# Altium PCB Test.PcbDoc (part 1 of 7)
Units mm, origin at the board's own origin, x right, y up, seen from the top; angles counter-clockwise.
Board outline 127 x 60.96 mm, 8 copper layers (TOP, LY2 - GND, LY3 - SIG, LY4 - GND, LY5 - SIG, LY6 - SIG, LY7 - GND, BOTTOM), stack 1.458 mm thick; 279 components, 237 nets, 1232 pads, 1515 vias.
Unrouted connection lines stored in the file: 100.
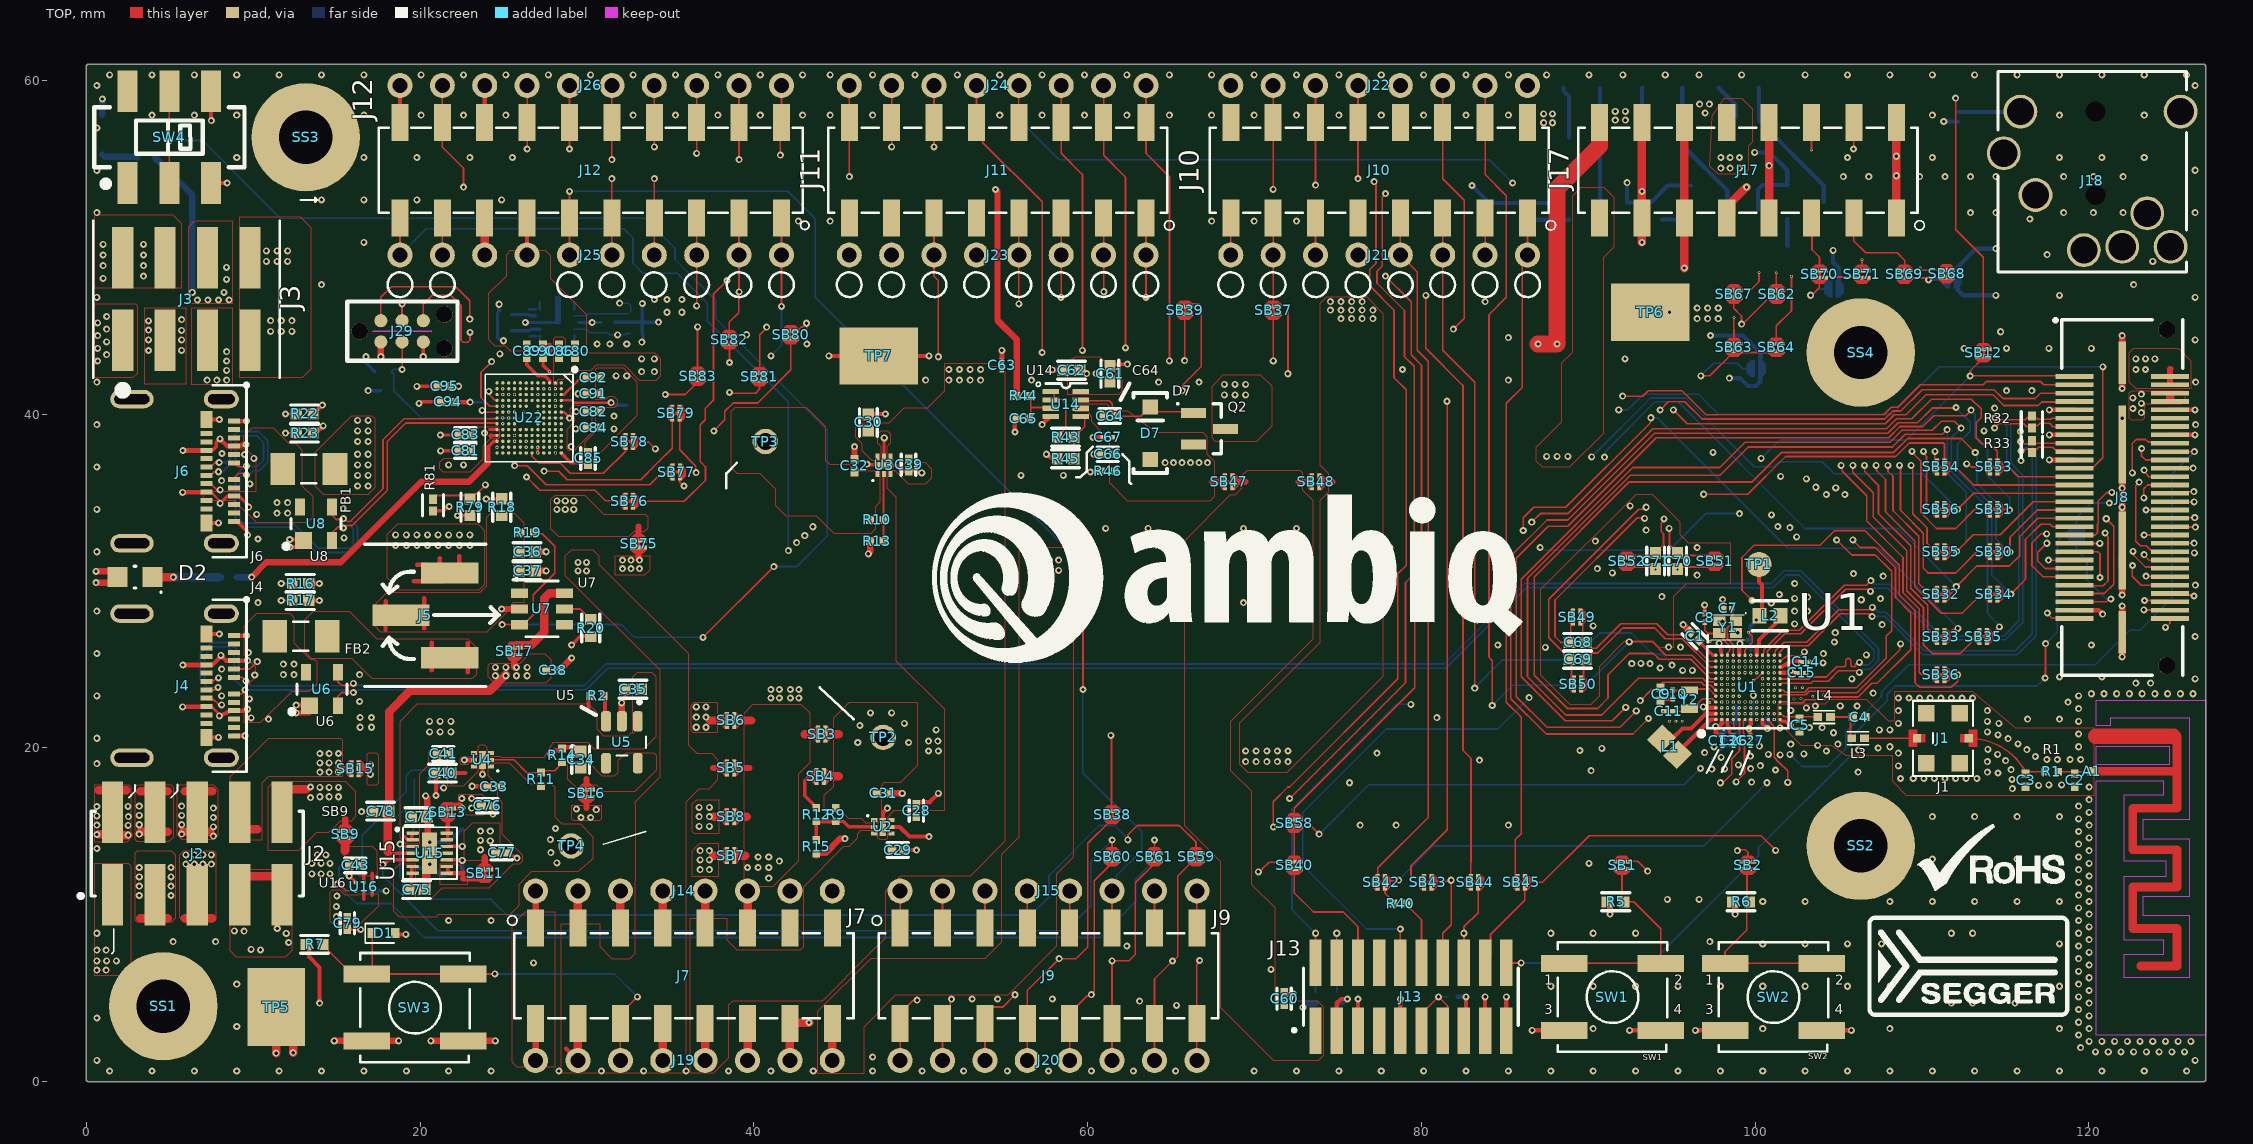
[diagram p0: TOP view]
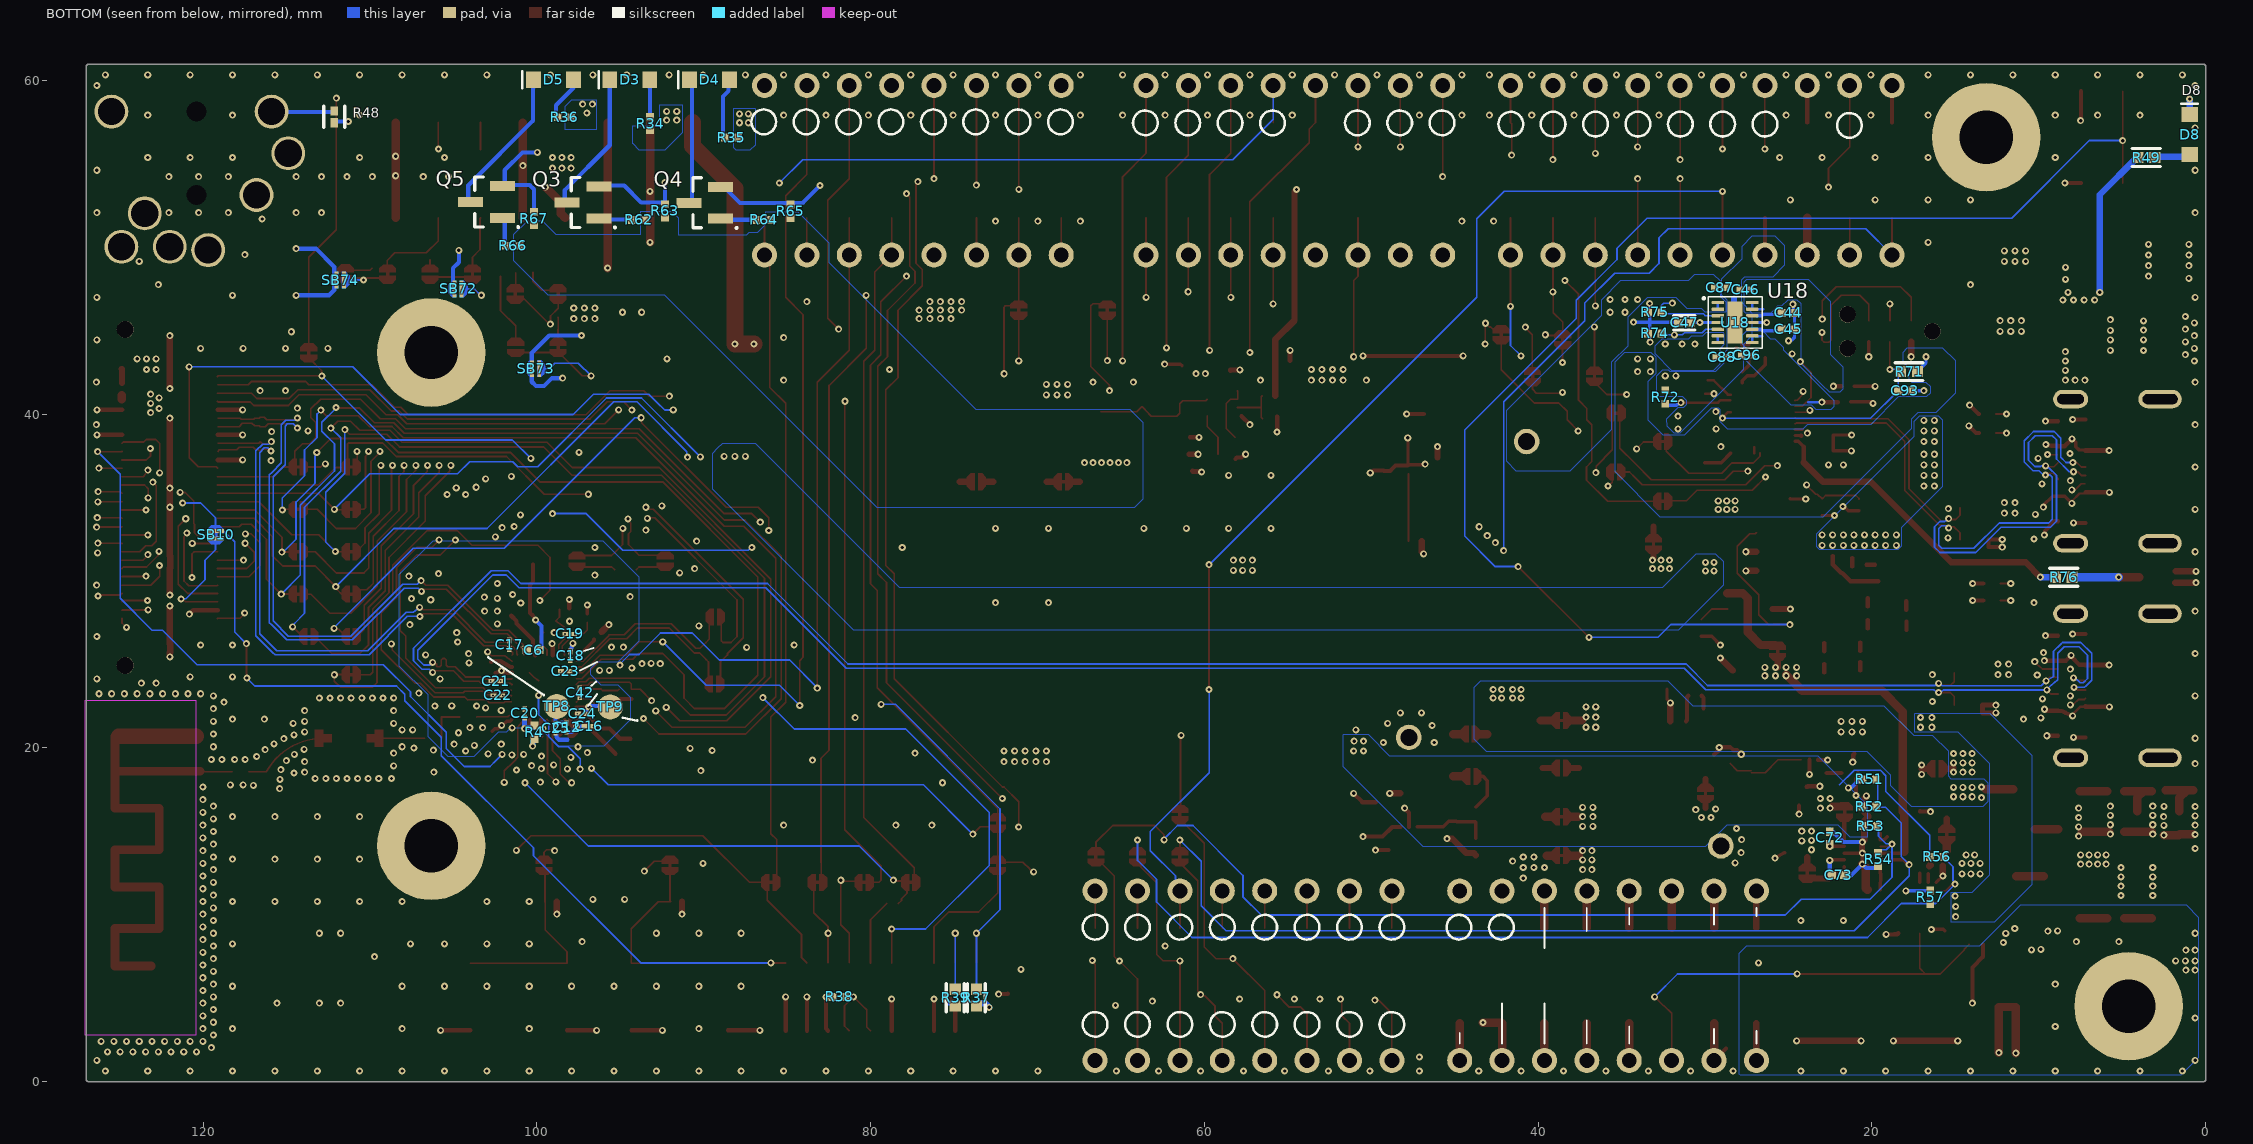
[diagram p1: BOTTOM view, seen from below]
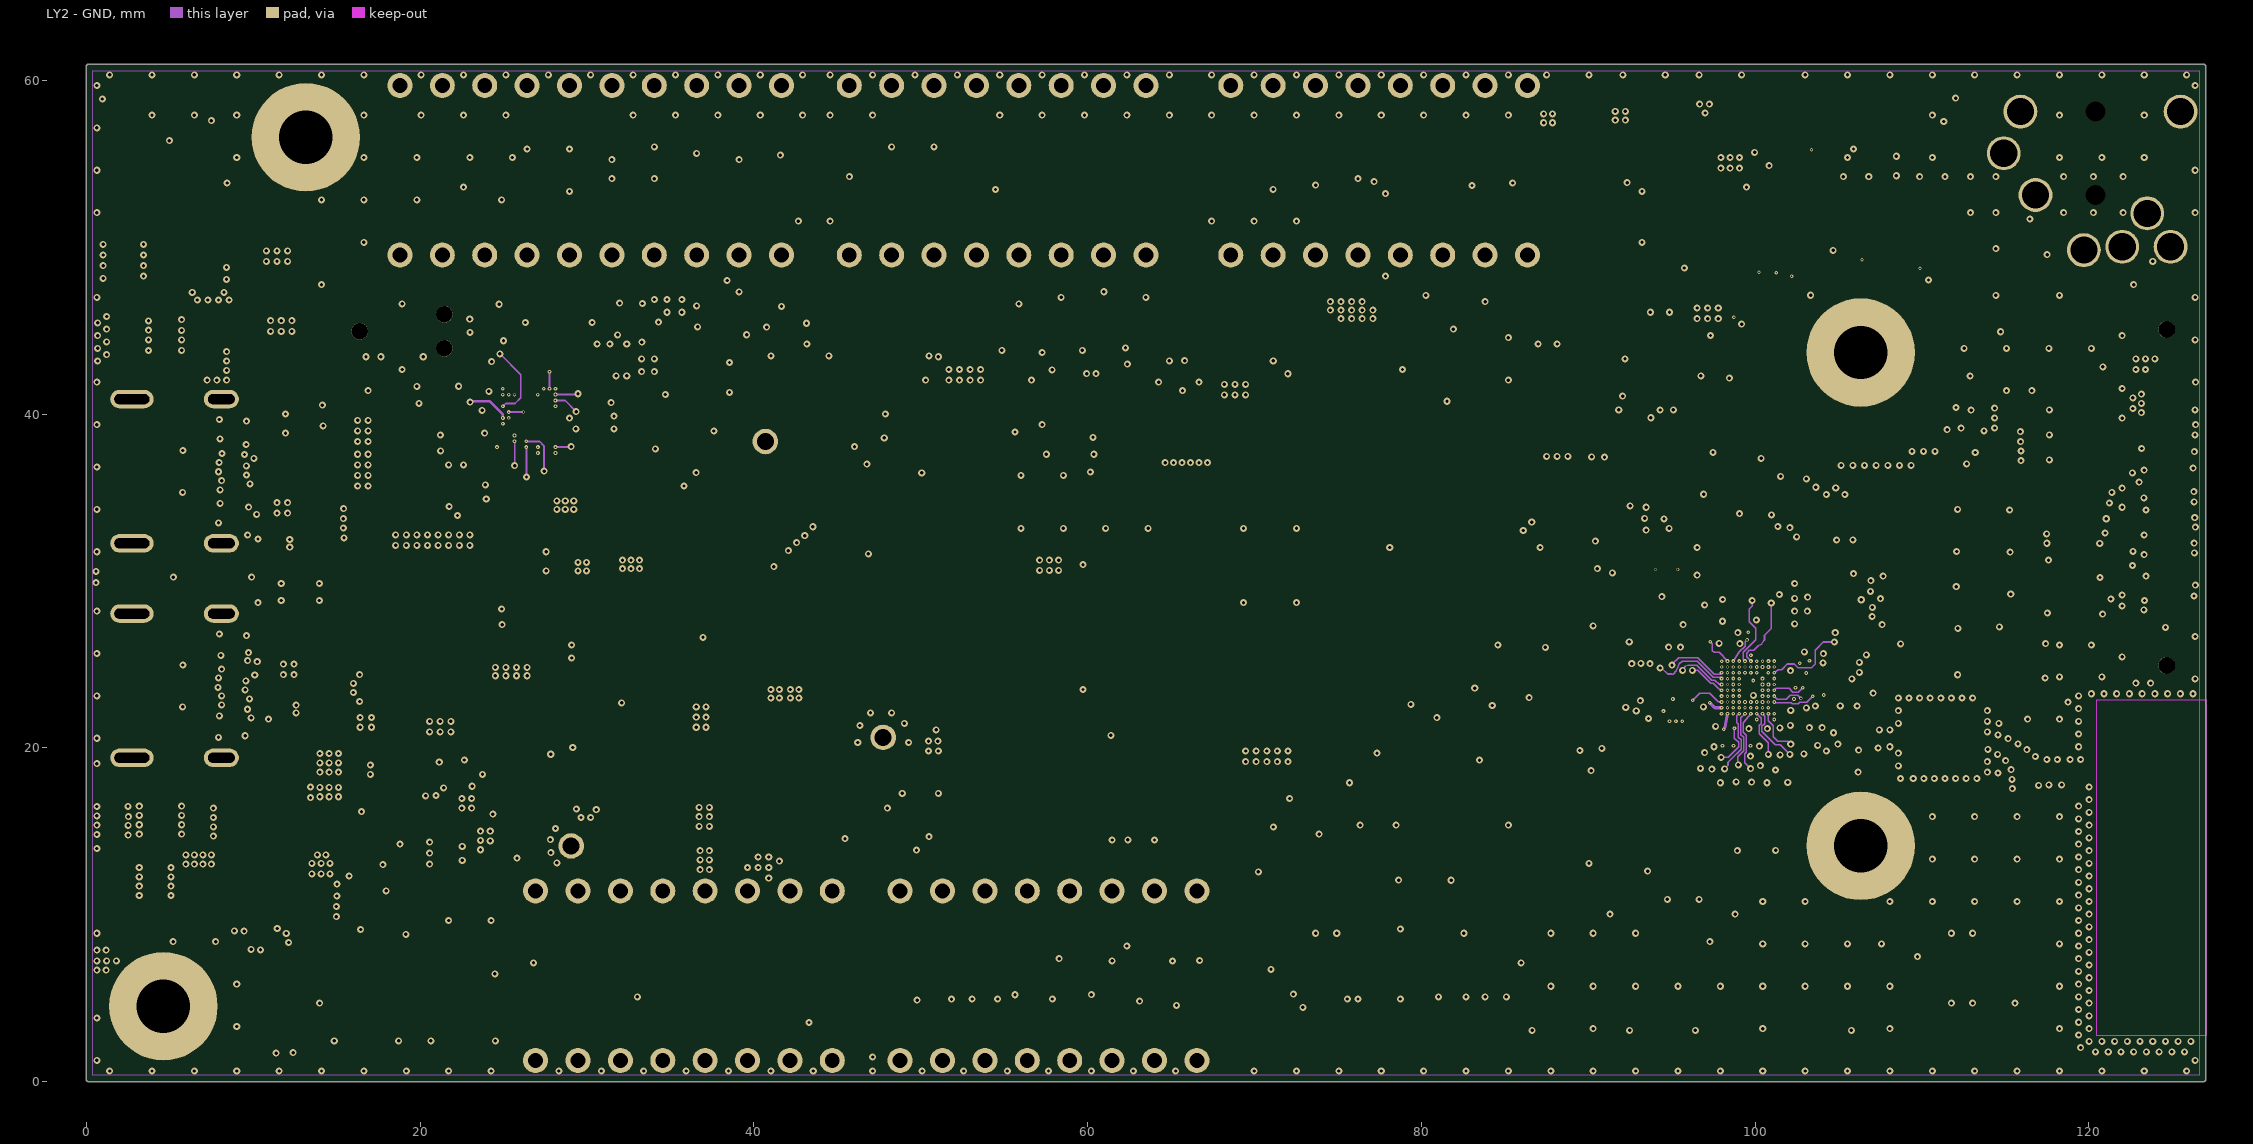
[diagram p2: LY2 - GND]
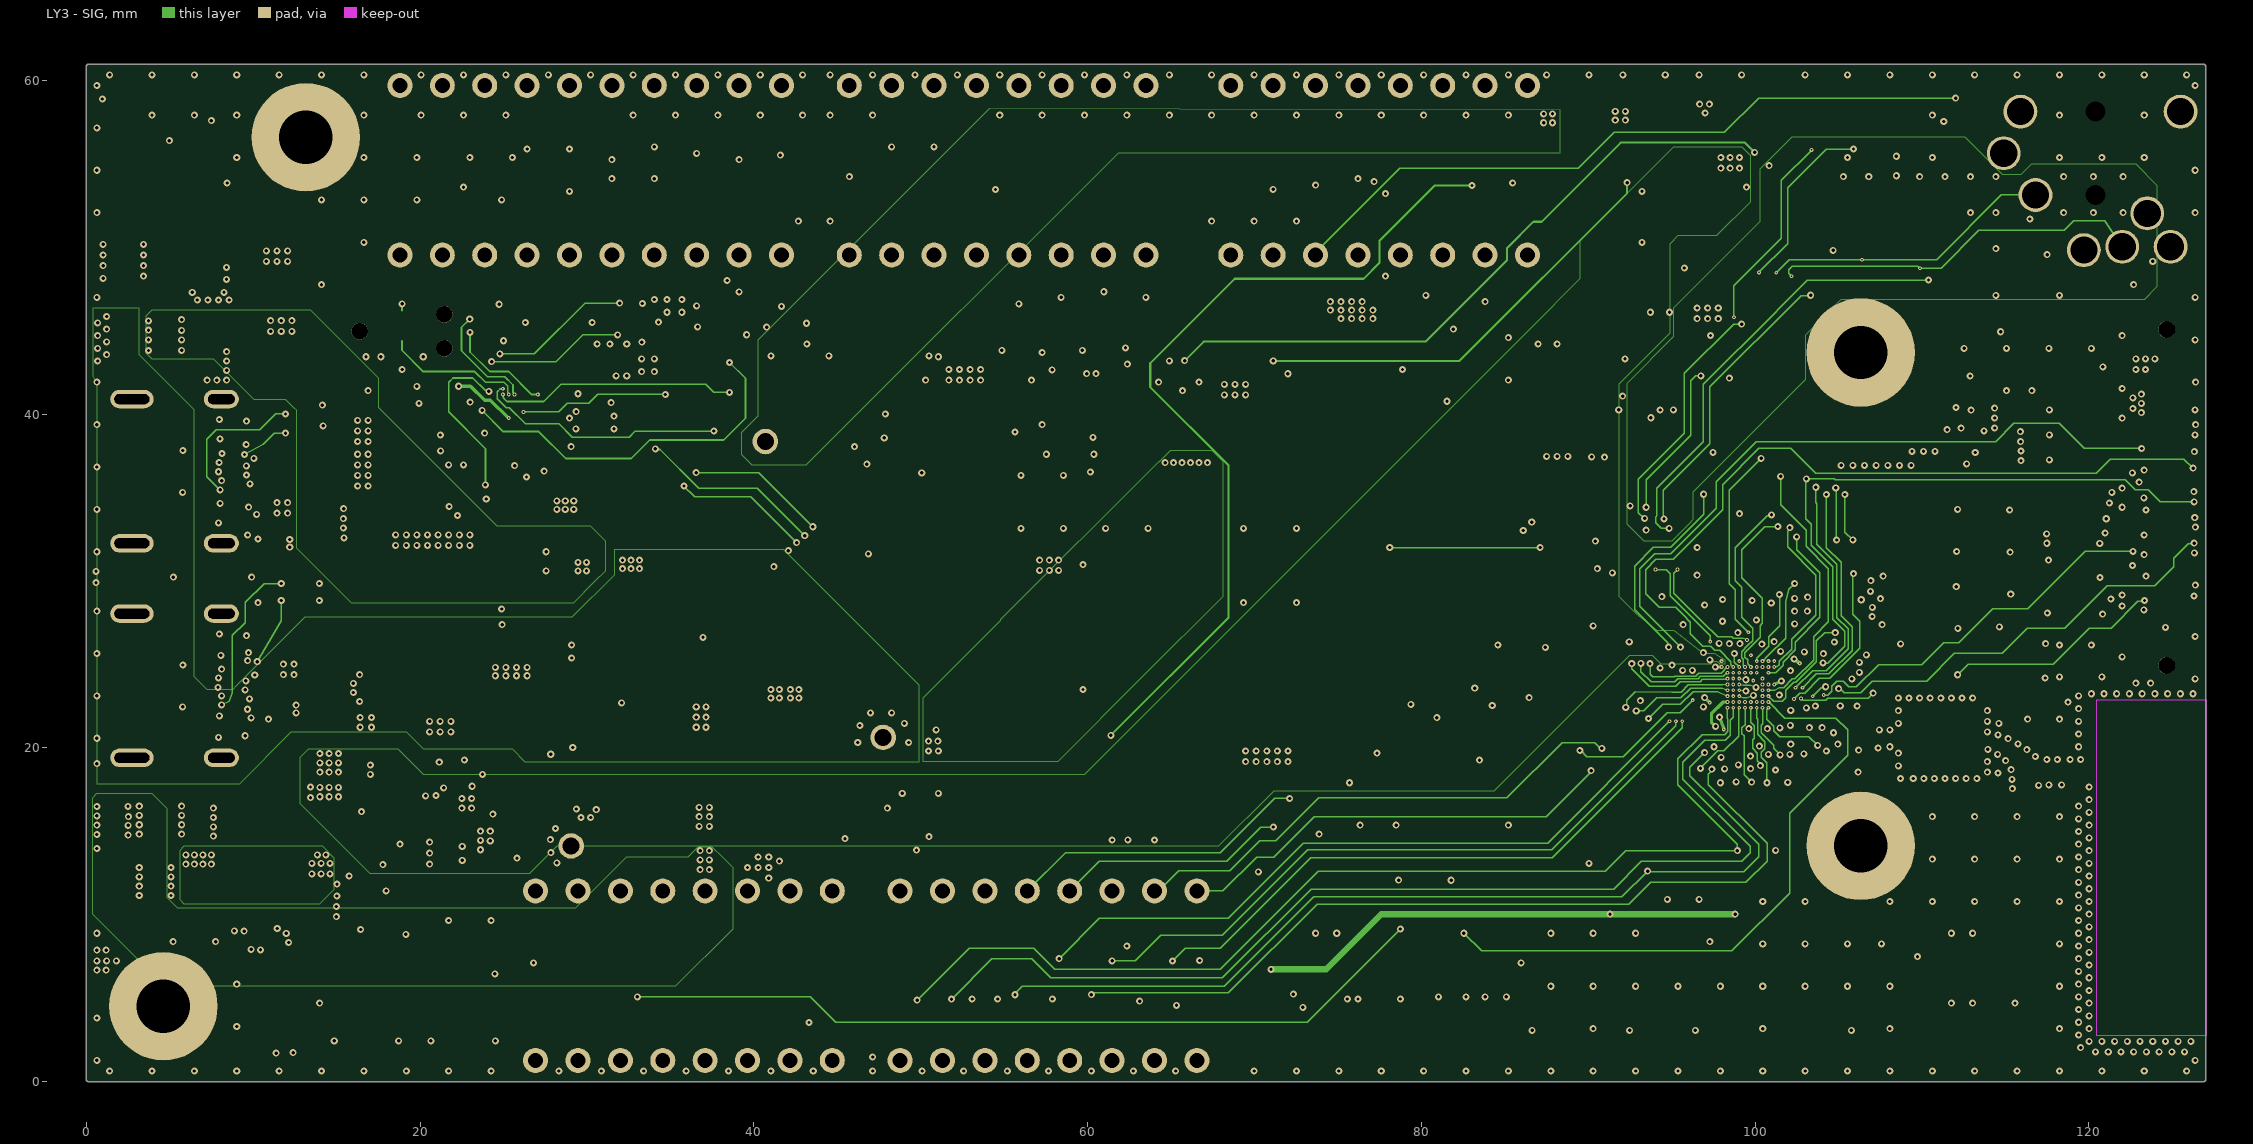
[diagram p3: LY3 - SIG]
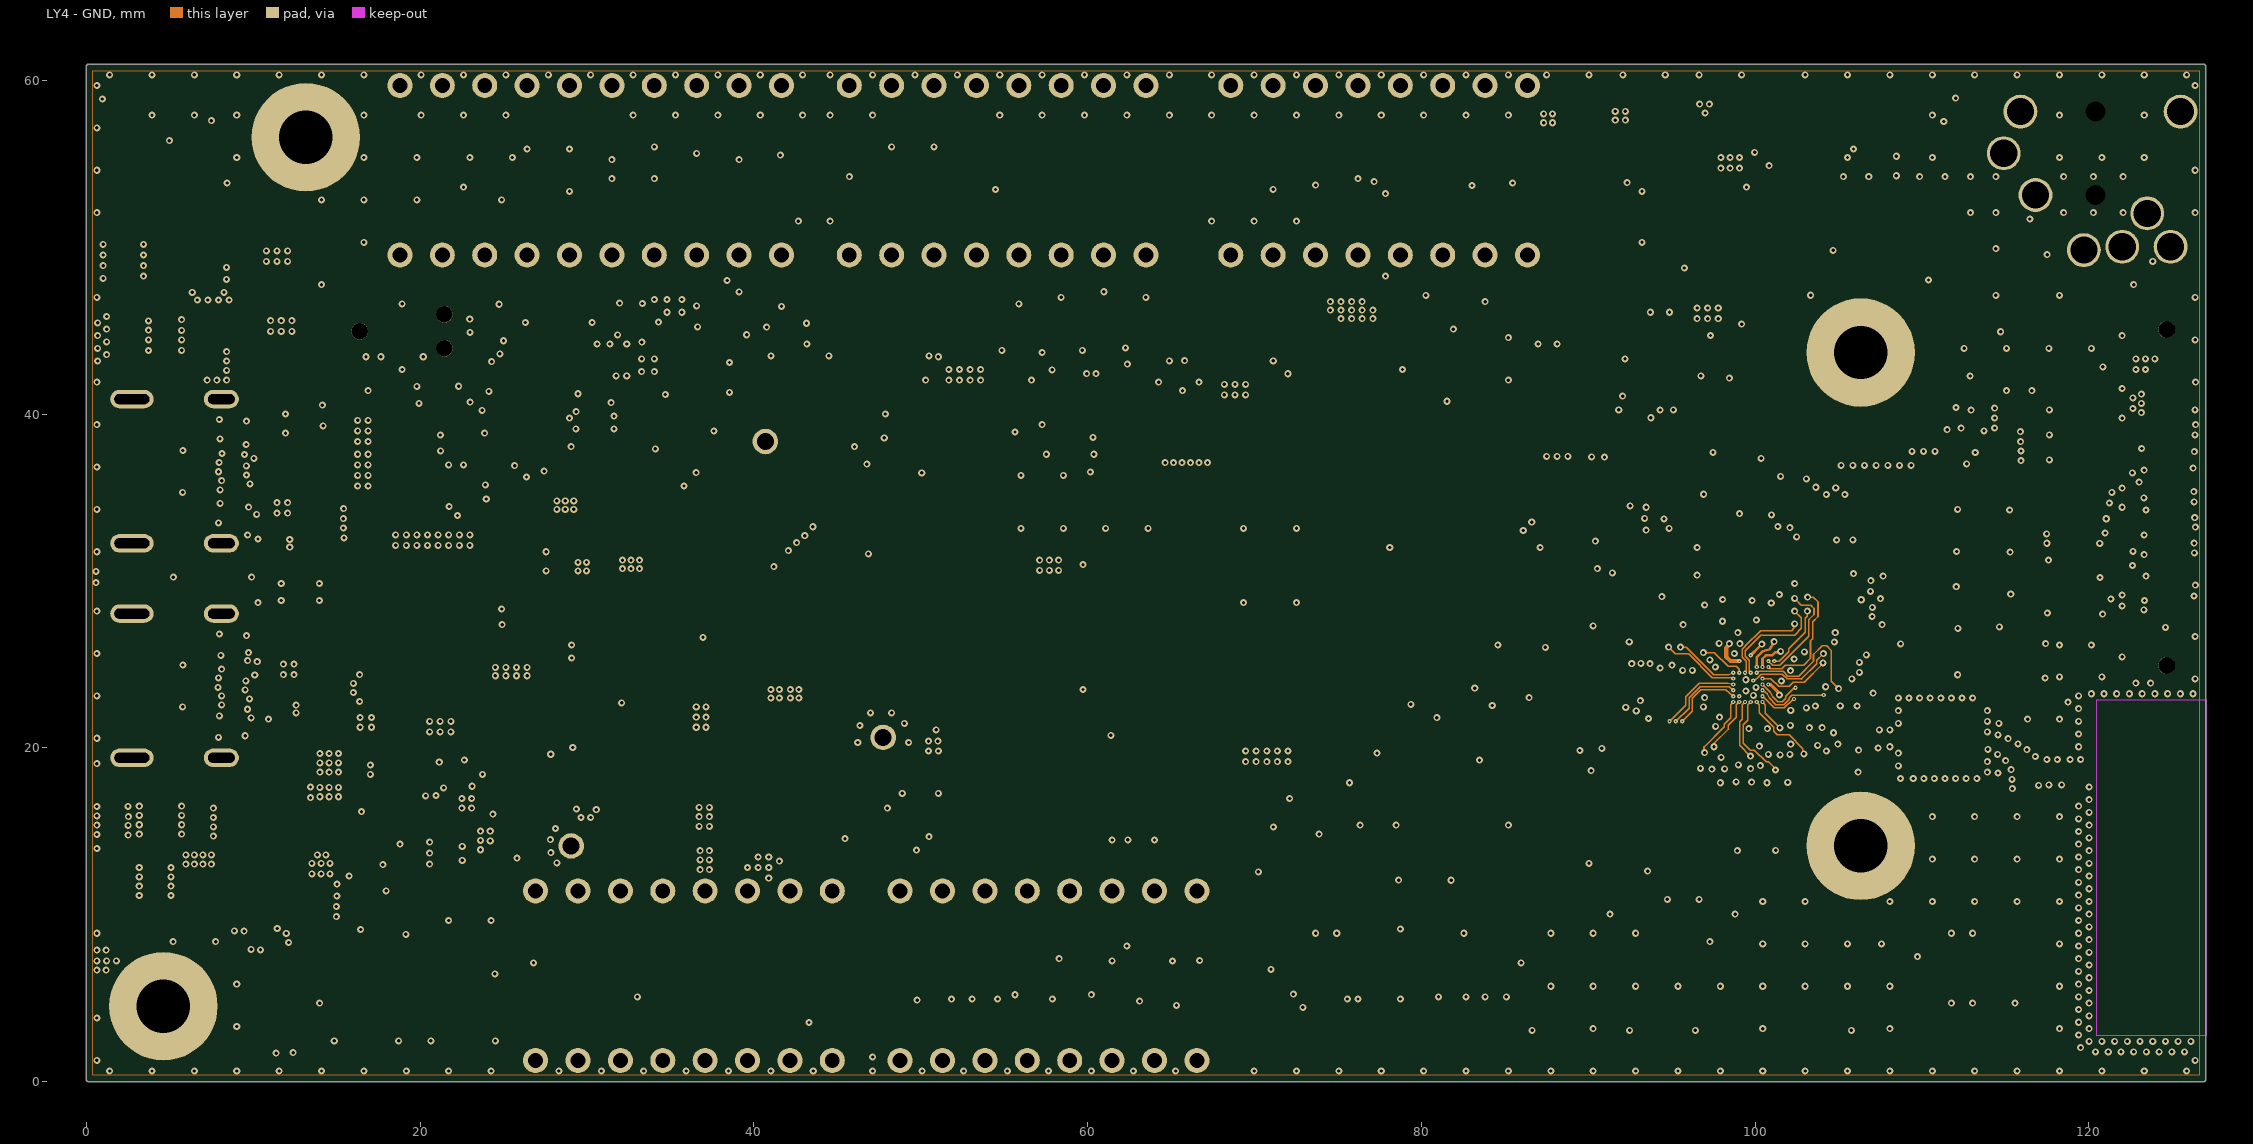
[diagram p4: LY4 - GND]